# KiCad board bottom-board.kicad_pcb
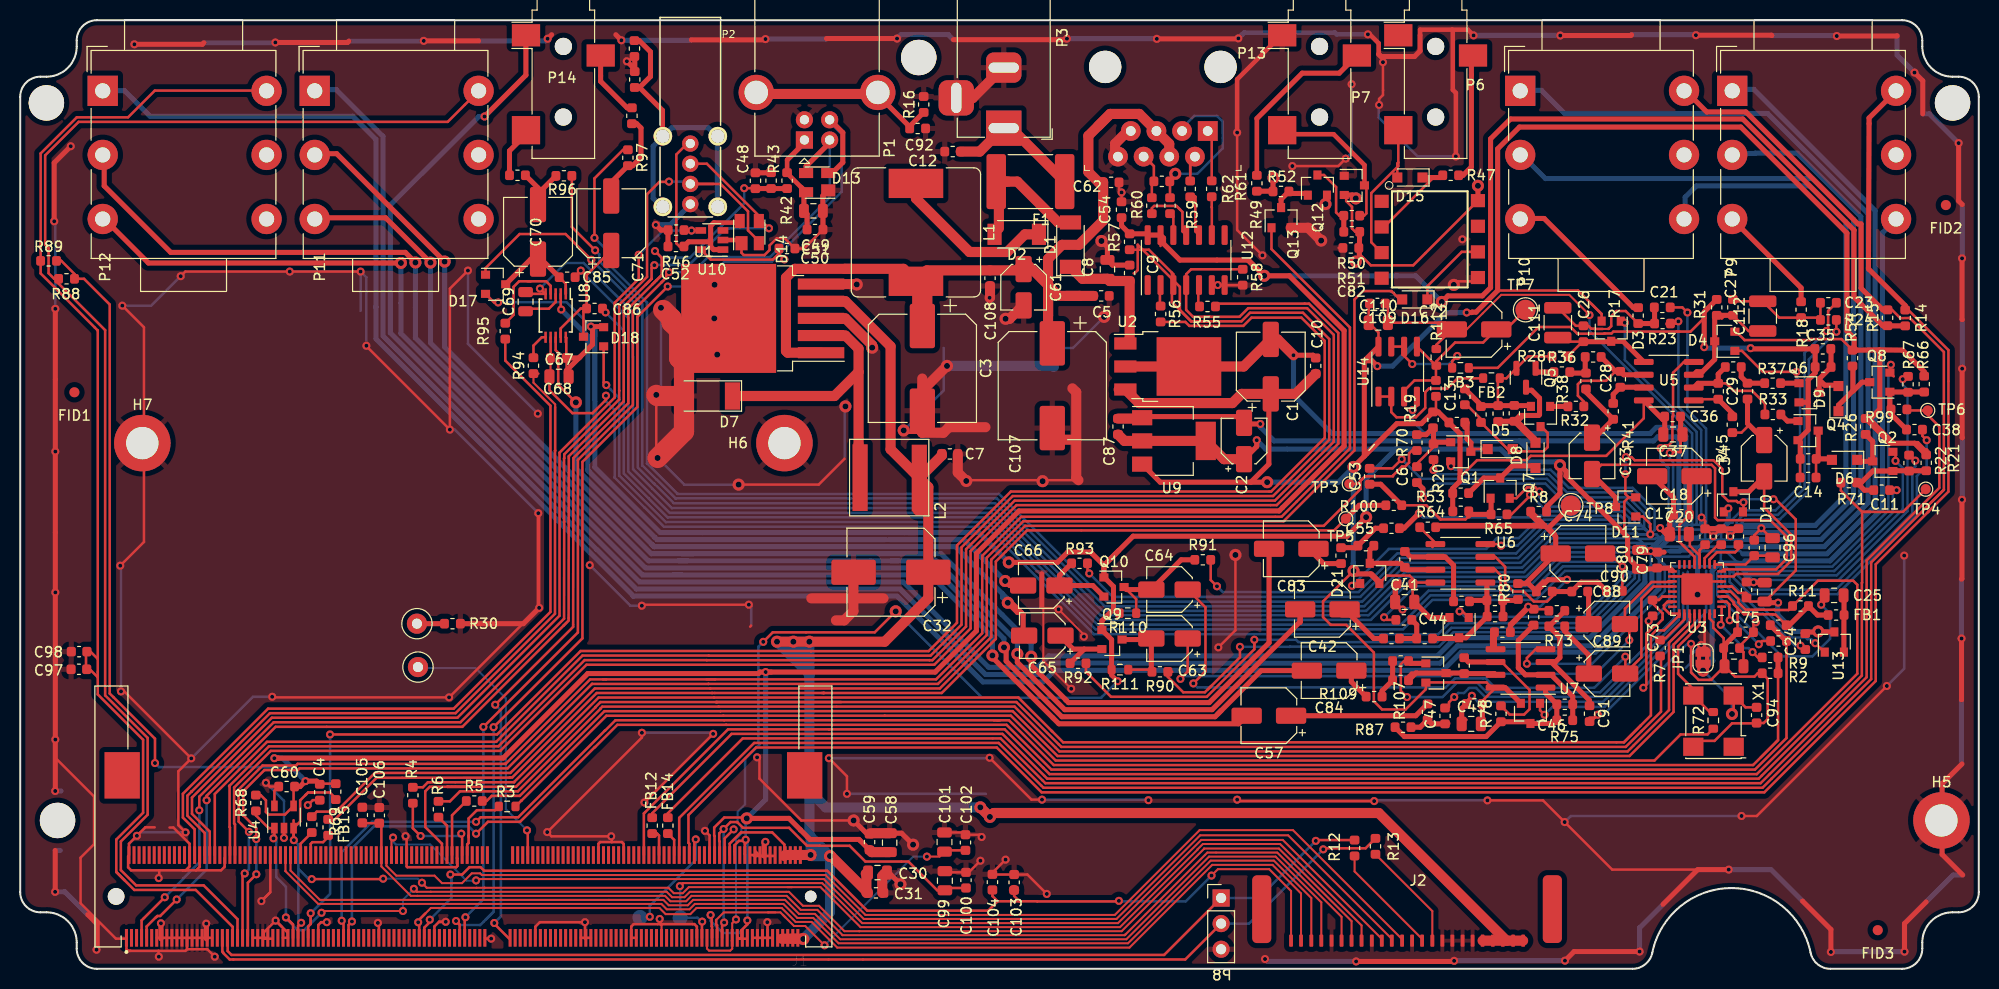
[diagram p0: board, top side]
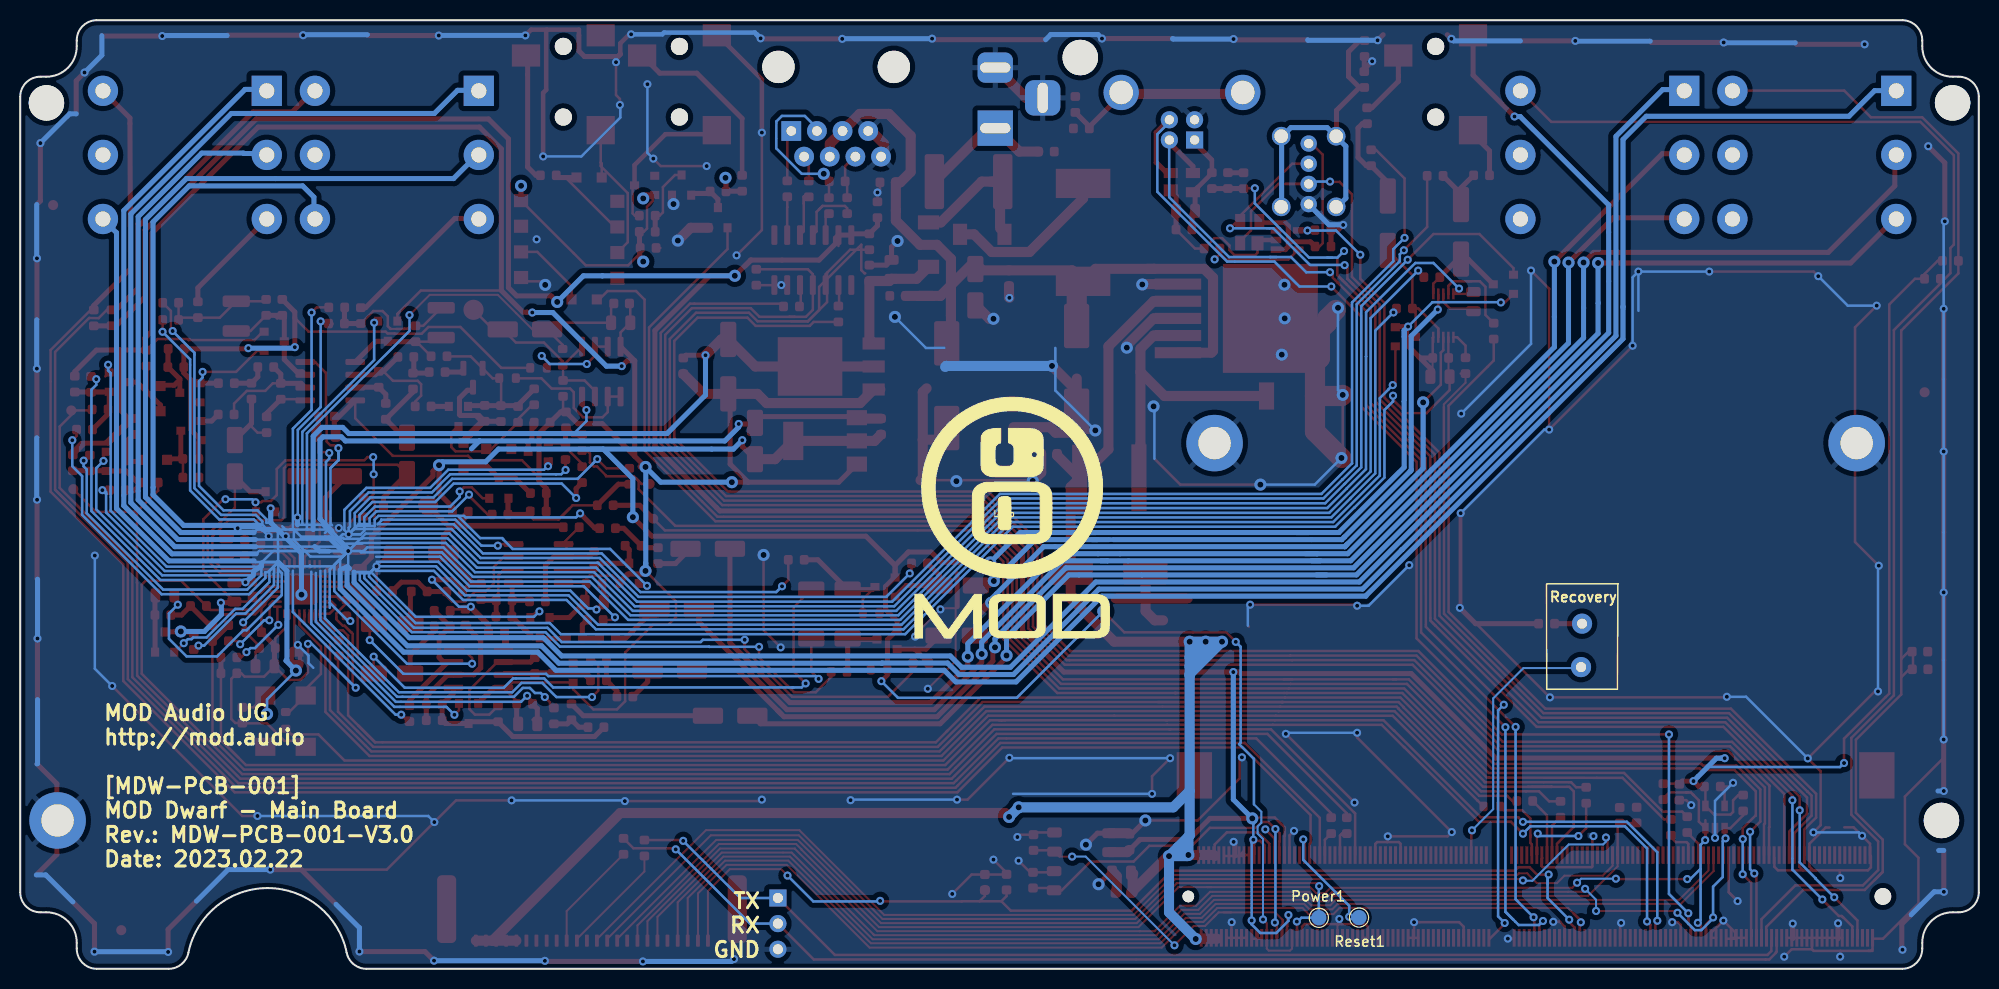
[diagram p1: board, bottom side, seen from below]

Outline 194 x 94 mm; copper layers: Top, PWR-5VD.Cu (plane), GNDD.Cu (plane), Bottom. Coordinates in mm from the lower left corner of the outline.
Outline path: 161.66,1.6 arc(160.97,0.45) 159.7,0 7.6,0 arc(6.19,0.59) 5.6,2 5.6,2.6 arc(4.72,4.72) 2.6,5.6 2,5.6 arc(0.59,6.19) 0,7.6 0,86.4 arc(0.59,87.81) 2,88.4 2.6,88.4 arc(4.72,89.28) 5.6,91.4 5.6,92 arc(6.19,93.41) 7.6,94 186.4,94 arc(187.81,93.41) 188.4,92 188.4,91.4 arc(189.28,89.28) 191.4,88.4 192,88.4 arc(193.41,87.81) 194,86.4 194,7.6 arc(193.41,6.19) 192,5.6 191.4,5.6 arc(189.28,4.72) 188.4,2.6 188.4,2 arc(187.81,0.59) 186.4,0 179.3,0 ; 161.66,1.6 arc(169.5,8) 177.34,1.6 arc(178.03,0.45) 179.3,0
Stack: Top 0.035mm / dielectric 0.48mm FR4 er 4.5 / PWR-5VD.Cu 0.035mm / dielectric 0.48mm FR4 er 4.5 / GNDD.Cu 0.035mm / dielectric 0.48mm FR4 er 4.5 / Bottom 0.035mm

## Placement (name value [footprint] x y rotation side)
C1  100uF  [CP_Elec_6.3x7.7]  123.87 59.67 90 top
C2  10uF  [CP_Elec_4x5.7]  121.22 52.3 90 top
C3  1000uF  [CP_Elec_10x10.5]  89.36 59.5 270 top
C4  1nF  [C_0603_1608Metric]  29.67 17.5 90 top
C5  100nF  [C_0603_1608Metric]  107.08 66.68 0 top
C6  100nF  [C_0603_1608Metric]  138.34 48.97 270 top
C7  100nF  [C_0603_1608Metric]  92.08 51.02 0 top
C8  10uF  [C_0805_2012Metric]  107.69 69.31 90 top
C9  100nF  [C_0603_1608Metric]  109.89 68.94 90 top
C10  100nF  [C_0603_1608Metric]  128.32 59.74 90 top
C11  100nF  [C_0603_1608Metric]  184.38 47.43 0 top
C12  100nF  [C_0603_1608Metric]  92.37 80.98 180 top
C13  100nF  [C_0603_1608Metric]  143.09 56.68 90 top
C14  100nF  [C_0603_1608Metric]  177.09 48.68 180 top
C15  2.2nF  [C_0603_1608Metric]  168.49 42.82 90 top
C16  2.2nF  [C_0603_1608Metric]  170.19 42.83 90 top
C17  100nF  [C_0603_1608Metric]  164.55 44.99 180 top
C18  47uF  [CP_Elec_5x5.4]  163.85 48.82 180 top
C19  100nF  [C_0603_1608Metric]  166.89 42.82 90 top
C20  10uF  [C_0805_2012Metric#2]  164.33 43.07 0 top
C21  100pF  [C_0603_1608Metric]  162.65 65.54 0 top
C22  100nF  [C_0603_1608Metric]  147.99 55.04 90 top
C23  100pF  [C_0603_1608Metric]  179.1 66 0 top
C24  1uF  [C_0603_1608Metric]  176.81 32.43 90 top
C25  10uF  [C_0805_2012Metric]  179.66 37.01 0 top
C26  1uF  [C_0603_1608Metric]  154.84 62.93 90 top
C27  1uF  [C_0603_1608Metric]  169.64 65.54 90 top
C28  100pF  [C_0603_1608Metric]  158.49 58.42 270 top
C29  100pF  [C_0603_1608Metric]  168.19 57.23 270 top
C30  22uF  [C_0805_2012Metric]  84.92 9.53 0 top
C31  100nF  [C_0603_1608Metric]  84.76 7.52 0 top
C32  470uF  [CP_Elec_8x10.5]  86.25 39.3 180 top
C33  10uF  [CP_Elec_4x5.7]  155.69 50.83 270 top
C34  10uF  [CP_Elec_4x5.7]  172.74 50.59 270 top
C35  100nF  [C_0603_1608Metric]  178.55 61.43 180 top
C36  100nF  [C_0603_1608Metric]  163.67 54.73 0 top
C37  10uF  [C_0805_2012Metric#2]  163.7 52.95 180 top
C38  100nF  [C_0603_1608Metric]  187.63 53.43 0 top
C39  100nF  [C_0603_1608Metric]  137.16 38.16 180 top
C40  100pF  [C_0603_1608Metric]  146.06 36.51 0 top
C41  10uF  [C_0805_2012Metric#2]  137.14 36.35 0 top
C42  47uF  [CP_Elec_5x5.4]  128.98 35.62 180 top
C43  100nF  [C_0603_1608Metric]  144.04 26.26 180 top
C44  100pF  [C_0603_1608Metric]  137.05 34.58 0 top
C45  10uF  [C_0805_2012Metric#2]  143.73 24.27 0 top
C46  100pF  [C_0603_1608Metric]  152.99 26.21 0 top
C47  100pF  [C_0603_1608Metric]  141.13 25.06 270 top
C48  100nF  [C_0603_1608Metric]  72.83 78.09 90 top
C49  10uF  [C_0805_2012Metric]  78.56 75.11 0 top
C50  100nF  [C_0603_1608Metric]  78.73 73.26 180 top
C51  100nF  [C_0603_1608Metric]  75.95 71.38 0 top
C52  100nF  [C_0603_1608Metric]  64.95 71.58 0 top
C53  100nF  [C_0603_1608Metric]  133.66 48.81 90 top
C54  100nF  [C_0603_1608Metric]  109.09 75.22 90 top
C55  100pF  [C_0603_1608Metric]  135.83 43.66 180 top
C56  100pF  [C_0603_1608Metric]  136.72 30.51 180 top
C57  47uF  [CP_Elec_5x5.4]  123.68 25.08 180 top
C58  22uF  [C_0805_2012Metric]  86.12 12.5 90 top
C59  100nF  [C_0603_1608Metric]  84.13 12.56 90 top
C60  100nF  [C_0603_1608Metric]  26.39 18.06 0 top
C61  10uF  [CP_Elec_4x5.7]  99.39 67.54 270 top
C62  100nF  [C_0603_1608Metric]  108.05 77.93 0 top
C63  10uF  [CP_Elec_4x5.7]  113.84 32.73 180 top
C64  10uF  [CP_Elec_4x5.7]  113.84 37.58 180 top
C65  10uF  [CP_Elec_4x5.7]  101.24 33.02 180 top
C66  10uF  [CP_Elec_4x5.7]  101.14 37.98 180 top
C67  10uF  [C_0805_2012Metric#2]  53.37 58.68 0 top
C68  100nF  [C_0603_1608Metric]  53.3 60.53 180 top
C69  10uF  [C_0805_2012Metric#2]  50.06 66.11 90 top
C70  100uF  [CP_Elec_6.3x7.7]  51.29 73.03 90 top
C71  100uF  [CP_Elec_6.3x7.7]  58.54 73.88 90 top
C72  47uF  [CP_Elec_5x5.4]  144 63.36 180 top
C73  100nF  [C_0603_1608Metric]  161.69 35.76 270 top
C74  47uF  [CP_Elec_5x5.4]  154.29 41.16 0 top
C75  100nF  [C_0603_1608Metric]  170.89 33.36 0 top
C76  10uF  [C_0805_2012Metric]  169.75 29.98 0 top
C77  100nF  [C_0603_1608Metric]  169.52 31.78 0 top
C78  10uF  [C_0805_2012Metric]  172.79 37.33 90 top
C79  100nF  [C_0603_1608Metric]  162.14 40.51 90 top
C80  10uF  [C_0805_2012Metric]  160.37 40.57 90 top
C81  100nF  [C_0603_1608Metric]  170.99 37.54 90 top
C82  100nF  [C_0603_1608Metric]  131.8 71.43 0 top
C83  47uF  [CP_Elec_5x5.4]  125.9 41.62 180 top
C84  47uF  [CP_Elec_5x5.4]  129.65 29.55 180 top
C85  100nF  [C_0603_1608Metric]  54.18 68.53 180 top
C86  100nF  [C_0603_1608Metric]  56.89 65.43 180 top
C87  100nF  [C_0603_1608Metric]  108.74 53.73 90 top
C88  10uF  [CP_Elec_4x5.7]  157.15 34.16 0 top
C89  10uF  [CP_Elec_4x5.7]  157.17 29.26 0 top
C90  100pF  [C_0603_1608Metric]  157.9 37.44 0 top
C91  100pF  [C_0603_1608Metric]  155.44 25.28 270 top
C92  1nF  [C_0603_1608Metric]  88.89 83.27 180 top
C93  1nF  [C_0603_1608Metric]  60.84 91.19 90 top
C94  100nF  [C_0603_1608Metric]  171.99 25.14 90 top
C95  100nF  [C_0603_1608Metric]  171.76 41.71 90 top
C96  10uF  [C_0805_2012Metric#2]  173.57 41.72 270 top
C97  1uF  [C_0603_1608Metric]  5.81 29.68 180 top
C98  100nF  [C_0603_1608Metric]  5.84 31.43 180 top
C99  22uF  [C_0805_2012Metric#2]  91.59 8.73 90 top
C100  100nF  [C_0603_1608Metric]  93.68 8.79 90 top
C101  22uF  [C_0805_2012Metric#2]  91.55 12.56 90 top
C102  100nF  [C_0603_1608Metric]  93.63 12.52 90 top
C103  1uF  [C_0603_1608Metric]  98.45 8.57 90 top
C104  100nF  [C_0603_1608Metric]  96.3 8.59 90 top
C105  1uF  [C_0603_1608Metric]  33.89 15.24 90 top
C106  100nF  [C_0603_1608Metric]  35.57 15.21 90 top
C107  1000uF  [CP_Elec_10x10.5]  102.23 57.78 270 top
C108  1nF  [C_0603_1608Metric]  96.06 68.44 270 top
C109  100nF  [C_0603_1608Metric]  134.43 65.93 180 top
C110  10uF  [C_0805_2012Metric#2]  134.52 64.02 0 top
C111  1uF  [C_1210_3225Metric]  152.3 64.03 90 top
C112  1uF  [C_1210_3225Metric]  172.6 64.68 90 top
D1  RSX205LAM30TR  [D_SOD-128]  104.03 71.76 90 top
D2  RSX205LAM30TR  [D_SOD-128]  98.71 72.78 180 top
D3  BAT54S  [SOT-23]  157.59 63.18 270 top
D4  BAT54S  [SOT-23]  168.84 62.18 180 top
D5  1N4148  [D_SOD-323_HandSoldering]  146.6 51.5 0 top
D6  1N4148  [D_SOD-323_HandSoldering]  180.7 50.43 180 top
D7  TSSA3U45 R3G  [D_MELF]  68.15 56.76 180 top
D8  1N4148  [D_SOD-323_HandSoldering]  150.09 50.88 90 top
D9  1N4148  [D_SOD-323_HandSoldering]  180.1 56.5 90 top
D10  BAT54S  [SOT-23]  169.69 46.28 90 top
D11  BAT54S  [SOT-23]  159.02 45.77 180 top
D12  BAT54S  [SOT-23]  132.15 77.63 0 top
D13  PRTR5V0U2X  [SOT-143]  78.94 77.91 180 top
D14  PRTR5V0U2X  [SOT-143]  72.22 73 90 top
D15  1N4148  [D_SOD-323_HandSoldering]  137.65 78.41 180 top
D16  1N4148  [D_SOD-323_HandSoldering]  138.13 66.33 180 top
D17  BAT54S  [SOT-23]  47.09 67.83 0 top
D18  BAT54S  [SOT-23]  56.79 62.63 180 top
D19  BAT54S  [SOT-23]  142.53 33.81 270 top
D20  BAT54S  [SOT-23]  149.59 25.31 270 top
D21  BAT54S  [SOT-23]  133.68 39.18 90 top
D22  BAT54S  [SOT-23]  140.23 29.31 0 top
F1  FUSE  [Fuse_2920_7451Metric]  100.06 78.01 180 top
FB1  Ferrite_Bead  [R_0603_1608Metric]  179.87 35.06 0 top
FB2  Ferrite_Bead  [R_0603_1608Metric#2]  145.73 58.53 180 top
FB3  Ferrite_Bead  [R_0603_1608Metric#2]  142.66 59.55 180 top
FB12  Ferrite_Bead  [R_0603_1608Metric]  62.6 14.19 90 top
FB13  Ferrite_Bead  [R_0603_1608Metric]  28.88 14.29 90 top
FB14  Ferrite_Bead  [R_0603_1608Metric]  64.15 14.19 90 top
FB15  Ferrite_Bead  [R_0603_1608Metric]  30.5 14.02 90 top
FID1  FIDUCIAL  [fiducial_in-circuit]  5.37 57.13 0 top
FID2  FIDUCIAL  [fiducial_in-circuit]  190.74 75.68 0 top
FID3  FIDUCIAL  [fiducial_in-circuit]  183.99 3.83 0 top
H1  HOLE  [Hole_3.5mm]  89 90.3 0 top
H2  HOLE  [Hole_3.5mm]  2.6 85.8 0 top
H3  HOLE  [Hole_3.5mm]  191.4 85.8 0 top
H4  HOLE  [Hole_3.5mm]  3.7 14.7 0 top
H5  MountingHole_Pad  [MountingHole_3.2mm_M3_DIN965_Pad]  190.3 14.7 0 top
H6  MountingHole_Pad  [MountingHole_3.2mm_M3_DIN965_Pad]  75.7 52.09 0 top
H7  MountingHole_Pad  [MountingHole_3.2mm_M3_DIN965_Pad]  12.1 52.09 0 top
IMG1  Logo  [mod-logo]  95.76 44.71 180 bottom
J1  AS0A823-H4SB-7H  [TE_2309409-1]  47.4 7.17 180 top
J2  Conn_01x25  [F51L-1A7H1-11024]  138.45 8.25 0 top
JP1  Jumper  [SolderJumper-2_P1.3mm_Bridged2Bar_RoundedPad1.0x1.5mm]  166.69 30.78 90 top
L1  1mH  [L_Bourns_SRR1260]  88.72 72.98 270 top
L2  47UH 2A 135 MOHM  [SRN8040TA]  88.27 48.67 270 top
P1  USB_B  [USB_B_OST_USB-B1HSxx_Horizontal]  77.68 82.13 90 top
P2  USB_A  [USB_A_Vertical]  66.38 81.78 0 top
P3  BARREL_JACK  [BarrelJack_Horizontal]  97.42 83.3 270 top
P6  AudioJack3  [Jack_3.5mm_CUI_SJ-3523-SMT_Horizontal]  140.2 88.9 0 top
P7  AudioJack3  [Jack_3.5mm_CUI_SJ-3523-SMT_Horizontal]  128.7 88.9 0 top
P8  SERIAL_DEBUG  [PinHeader_1x03_P2.54mm_Vertical]  118.95 7.02 0 top
P9  JACK_TRS_6PINS  [Jack_3.5mm_Neutrik_NMJ6HCD2_Horizontal]  169.58 74.3 90 top
P10  JACK_TRS_6PINS  [Jack_3.5mm_Neutrik_NMJ6HCD2_Horizontal]  148.58 74.3 90 top
P11  JACK_TRS_6PINS  [Jack_3.5mm_Neutrik_NMJ6HCD2_Horizontal]  29.17 74.3 90 top
P12  JACK_TRS_6PINS  [Jack_3.5mm_Neutrik_NMJ6HCD2_Horizontal]  8.17 74.3 90 top
P13  RJ45  [Ethernet_Jack_54602-908LF]  117.62 83.02 180 top
P14  AudioJack3  [Jack_3.5mm_CUI_SJ-3523-SMT_Horizontal]  53.8 88.9 0 top
Power1  TestPoint  [TestPoint_Pad_D1.5mm]  65.37 5.06 0 bottom
Q1  2N7002  [SOT-23]  142.69 51.23 0 top
Q2  2N7002  [SOT-23]  184.49 50.28 180 top
Q3  MMBFJ211  [SOT-23]  150.59 54.73 270 top
Q4  MMBFJ211  [SOT-23]  177.09 53.33 0 top
Q5  MMBFJ211  [SOT-23#2]  149.15 58.57 270 top
Q6  MMBFJ211  [SOT-23]  177.19 57.08 0 top
Q7  2N7002  [SOT-23]  146.59 47.63 90 top
Q8  2N7002  [SOT-23]  184.19 58.13 180 top
Q9  MMBFJ211  [SOT-23]  108.14 32.63 0 top
Q10  MMBFJ211  [SOT-23]  108.34 37.83 0 top
Q12  2N7002  [SOT-23]  128.49 77.66 90 top
Q13  2N7002  [SOT-23]  124.89 74.43 90 top
R1  2K7  [R_0603_1608Metric]  174.13 34.05 180 top
R2  2K7  [R_0603_1608Metric]  173.33 29.29 180 top
R3  22R  [R_0603_1608Metric#2]  48.23 16.09 180 top
R4  22R  [R_0603_1608Metric]  38.89 17.2 90 top
R5  22R  [R_0603_1608Metric]  44.98 16.63 180 top
R6  22R  [R_0603_1608Metric]  41.43 15.81 270 top
R7  22R  [R_0603_1608Metric]  162.43 31.79 270 top
R8  100R  [R_0603_1608Metric]  150.4 45.31 0 top
R9  22R  [R_0603_1608Metric]  173.33 30.86 0 top
R10  22R  [R_0603_1608Metric]  174.16 32.48 0 top
R11  2K7  [R_0603_1608Metric]  176.34 35.95 0 top
R12  100R  [R_0603_1608Metric]  132.17 11.97 90 top
R13  100R  [R_0603_1608Metric]  134.24 12.14 90 top
R14  100K  [R_0603_1608Metric]  186.71 64.5 90 top
R15  100K  [R_0603_1608Metric]  184.96 64.51 90 top
R16  1M  [R_0603_1608Metric]  89.49 85.65 90 top
R17  47R  [R_0603_1608Metric]  160.26 64.73 90 top
R18  47R  [R_0603_1608Metric]  176.4 65.31 90 top
R19  10K  [R_0603_1608Metric]  139.94 54.39 90 top
R20  2K7  [R_0603_1608Metric]  139.99 51.24 90 top
R21  10K  [R_0603_1608Metric]  188.79 50.14 90 top
R22  2K7  [R_0603_1608Metric]  187.09 50.12 270 top
R23  1M  [R_0603_1608Metric]  162.67 63.94 180 top
R24  1M  [R_0603_1608Metric]  179.1 64.3 180 top
R25  100K  [R_0603_1608Metric]  142.3 54.13 180 top
R26  100K  [R_0603_1608Metric]  182.79 53.74 90 top
R27  1M  [R_0603_1608Metric]  144.69 54.93 270 top
R28  1M  [R_0603_1608Metric]  152.51 60.7 0 top
R29  1M  [R_0603_1608Metric]  177.1 50.53 0 top
R30  10R  [R_0603_1608Metric]  42.81 34.2 180 top
R31  1M  [R_0603_1608Metric]  168.04 65.54 270 top
R32  5K6  [R_0603_1608Metric]  154.09 55.73 0 top
R33  5K6  [R_0603_1608Metric]  173.6 54.93 180 top
R34  22K  [R_0603_1608Metric]  155.8 60.63 0 top
R35  22K  [R_0603_1608Metric]  169.68 59.63 180 top
R36  4K7  [R_0603_1608Metric]  152.7 59.13 0 top
R37  4K7  [R_0603_1608Metric]  173.58 58.03 180 top
R38  4K7  [R_0603_1608Metric]  155.09 58.24 90 top
R39  4K7  [R_0603_1608Metric]  171.09 57.24 90 top
R40  1M  [R_0603_1608Metric]  146.39 55.02 270 top
R41  100R  [R_0603_1608Metric]  157.79 55.24 90 top
R42  10K  [R_0603_1608Metric]  75.96 78.1 270 top
R43  15K  [R_0603_1608Metric]  74.38 78.11 90 top
R44  1M  [R_0603_1608Metric]  178.58 59.63 0 top
R45  100R  [R_0603_1608Metric]  169.59 53.92 90 top
R46  10K  [R_0603_1608Metric]  64.97 73.21 180 top
R47  220R  [R_0603_1608Metric]  141.69 78.63 180 top
R48  1M  [R_0603_1608Metric]  60.87 88.12 90 top
R49  220R  [R_0603_1608Metric]  122.49 77.84 270 top
R50  220R  [R_0603_1608Metric]  131.89 74.63 180 top
R51  10K  [R_0603_1608Metric]  131.89 73.03 180 top
R52  10K  [R_0603_1608Metric]  124.88 77.03 0 top
R53  100K  [R_0603_1608Metric]  142.68 47.13 180 top
R54  100K  [R_0603_1608Metric]  181.49 60.52 90 top
R55  100R  [R_0603_1608Metric]  117.6 65.63 0 top
R56  100R  [R_0603_1608Metric]  112.96 64.89 270 top
R57  10K  [R_0603_1608Metric]  109.89 72.04 270 top
R58  10K  [R_0603_1608Metric]  121.09 68.53 270 top
R59  56R  [R_0603_1608Metric]  113.89 75.62 270 top
R60  56R  [R_0603_1608Metric]  112.09 75.62 270 top
R61  56R  [R_0603_1608Metric]  118.02 77.29 270 top
R62  56R  [R_0603_1608Metric]  115.89 77.28 270 top
R63  100R  [R_0603_1608Metric]  113.08 78.03 180 top
R64  10K  [R_0603_1608Metric]  142.69 45.33 180 top
R65  2K7  [R_0603_1608Metric]  146.48 45.03 180 top
R66  10K  [R_0603_1608Metric]  188.59 57.94 90 top
R67  2K7  [R_0603_1608Metric]  186.99 57.92 270 top
R68  2K7  [R_0603_1608Metric]  23.34 16.43 270 top
R69  2K7  [R_0603_1608Metric]  31.25 17.56 270 top
R70  1K  [R_0603_1608Metric]  138.34 52.14 90 top
R71  1K  [R_0603_1608Metric]  181.13 48.18 0 top
R72  0R  [R_0603_1608Metric#2]  167.7 24.62 90 top
R73  10K  [R_0603_1608Metric]  152.2 33.94 180 top
R74  10K  [R_0603_1608Metric]  154.48 37.39 180 top
R75  10K  [R_0603_1608Metric]  152.99 24.63 180 top
R76  10K  [R_0603_1608Metric]  150.96 37.39 180 top
R77  10K  [R_0603_1608Metric]  152.2 35.48 180 top
R78  10K  [R_0603_1608Metric]  146.67 25.27 90 top
R79  10K  [R_0603_1608Metric]  146.81 33.36 180 top
R80  10K  [R_0603_1608Metric]  148.35 37.39 270 top
R81  10K  [R_0603_1608Metric]  142.76 36.41 180 top
R82  10K  [R_0603_1608Metric]  139.41 43.76 180 top
R83  10K  [R_0603_1608Metric]  149.91 34.85 270 top
R84  10K  [R_0603_1608Metric]  146.09 34.91 180 top
R85  10K  [R_0603_1608Metric]  137.15 40.57 270 top
R86  150R  [R_0603_1608Metric]  139.11 32.73 180 top
R87  150R  [R_0603_1608Metric]  136.97 23.94 0 top
R88  100K  [R_0603_1608Metric]  4.59 68.37 0 top
R89  100K  [R_0603_1608Metric]  2.81 70.15 0 top
R90  1M  [R_0603_1608Metric]  112.89 29.43 180 top
R91  1M  [R_0603_1608Metric]  117.13 40.53 180 top
R92  56K  [R_0603_1608Metric]  104.78 30.28 180 top
R93  56K  [R_0603_1608Metric]  104.93 40.18 180 top
R94  22R  [R_0603_1608Metric]  50.84 59.77 90 top
R95  22R  [R_0603_1608Metric]  48.05 63.19 90 top
R96  75K  [R_0603_1608Metric]  53.85 78.58 180 top
R97  75K  [R_0603_1608Metric]  60.19 80.37 270 top
R98  10K  [R_0603_1608Metric]  143.03 30.04 270 top
R99  1K  [R_0603_1608Metric]  186.09 55.43 180 top
R100  1K  [R_0603_1608Metric]  136.05 45.93 0 top
R101  1K  [R_0603_1608Metric]  140.23 57.51 270 top
R102  150R  [R_0603_1608Metric]  133.29 41.93 180 top
R103  6R8  [R_0603_1608Metric]  49.25 78.63 0 top
R104  6R8  [R_0603_1608Metric]  60.59 84.53 90 top
R105  150R  [R_0603_1608Metric]  135.83 32.73 180 top
R106  150R  [R_0603_1608Metric]  136.72 28.58 180 top
R107  150R  [R_0603_1608Metric]  139.4 25.46 90 top
R108  150R  [R_0603_1608Metric]  130.83 40.94 270 top
R109  150R  [R_0603_1608Metric]  134.1 26.97 180 top
R110  1M  [R_0603_1608Metric#2]  109.71 35.24 180 top
R111  1M  [R_0603_1608Metric#2]  108.93 29.64 180 top
R112  1K5  [R_0603_1608Metric#2]  140.27 60.59 270 top
Reset1  TestPoint  [TestPoint_Pad_D1.5mm]  61.39 5.08 0 bottom
TP1  TestPoint  [TestPoint_Loop_D1.80mm_Drill1.0mm_Beaded]  39.4 29.9 0 top
TP2  TestPoint  [TestPoint_Loop_D1.80mm_Drill1.0mm_Beaded]  39.3 34.2 0 top
TP3  TestPoint  [TestPoint_Pad_D1.0mm]  131.65 48.05 0 top
TP4  TestPoint  [TestPoint_Pad_D1.0mm]  188.74 47.53 0 top
TP5  TestPoint  [TestPoint_Pad_D1.0mm]  131.3 44.6 0 top
TP6  TestPoint  [TestPoint_Pad_D1.0mm]  188.94 55.33 0 top
TP7  TestPoint  [TestPoint_Pad_D2.0mm]  149.1 65.3 0 top
TP8  TestPoint  [TestPoint_Pad_D2.0mm]  153.59 45.91 0 top
U1  TS2596  [TO-263-5_TabPin3]  73.55 64.45 180 top
U2  TL750M10CKVURG3  [TO-252-3_TabPin2]  113.66 59.69 0 top
U3  CS4265  [QFN-32-1EP_5x5mm_P0.5mm_EP3.1x3.1mm]  166.09 37.63 180 top
U4  AT24CS08-STUM  [SOT-23-5]  26.13 15.04 90 top
U5  LM4562  [SOIC-8_3.9x4.9mm_P1.27mm]  163.29 58.23 180 top
U6  OPA1678IDR  [SOIC-8_3.9x4.9mm_P1.27mm]  142.65 40.18 180 top
U7  OPA1678IDR  [SOIC-8_3.9x4.9mm_P1.27mm]  148.61 29.77 180 top
U8  LM4811  [TSSOP-10_3x3mm_P0.5mm]  53.04 64.73 270 top
U9  LD1117S50TR  [SOT-223-3_TabPin2]  114.28 52.31 0 top
U10  TPS2001DDBVR  [SOT-23-5]  68.51 72.22 180 top
U11  -  [6N137S]  139.81 72.09 270 top
U12  ISL83491  [SOIC-14_3.9x8.7mm_P1.27mm]  115.49 70.23 90 top
U13  AP2120N-3.3  [SOT-23]  179.69 32.38 90 top
U14  LM833DR2G  [SOIC-8_3.9x4.9mm_P1.27mm]  136.44 59.18 90 top
X1  24.576MHz  [Oscillator_SMD_Abracon_ASV-4Pin_7.0x5.1mm]  167.72 24.54 90 top

## Library data of the parts
C1 C70 C71 = -: MPN: 107SML016M
C2 C33 C34 C61 C63-C66 C88 C89 = -: MPN: EEE-HB1C100R
C3 C107 = -: MPN: UCM1C102MNL1GS
C4 C92 C93 C108 = -: MPN: C0603X7R500-102KNP
C5-C7 C9-C14 C17 C19 C22 C31 C35 C36 C38 C39 C43 C48 C50-C54 C59 C60 C62 C68 C73 C75 C77 C79 C81 C82 C85-C87 C95 C98 C100 C102 C104 C106 C109 = -: MPN: GCM188R71C104KA37D
C8 C20 C25 C37 C41 C45 C49 C67 C69 C76 C78 C80 C96 C110 = -: MPN: GRM219R61E106KA12D
C15 C16 = -: MPN: GRM1885C1H222JA01D
C18 C42 C57 C72 C74 C83 C84 = -: MPN: EDK476M016A9DAA
C21 C23 C28 C29 C40 C44 C46 C47 C55 C56 C90 C91 = -: MPN: C0603C101J3GACTU
C24 C26 C27 C97 C103 C105 C111 C112 = -: MPN: TMK107B7105KA-T
C30 C58 C99 C101 = -: MPN: CL21A226MPQNNNE
C32 = -: MPN: UCW1C471MNL1GS
C94 P8 R110 R111 X1 = -: MPN: DO NOT PLACE
D3 D4 D10-D12 D17-D22 = -: MPN: BAT54SFILM
D5 D6 D8 D9 D15 D16 = -: MPN: 1N4148WS
D13 D14 = -: MPN: PRTR5V0U2X,215
F1 = -: MPN: 0ZCF0200FF2C
FB1-FB3 FB12-FB15 = -: MPN: BLM18HD102SH1D
H6 H7 = -: MPN: 9774030243R
J1 = -: MPN: TE_2309409-1
J2 = -: MPN: F51L-1A7H1-11024
L1 = -: MPN: SRR1260-102K
L2 = -: MPN: SRN8040TA-470M
P1 = -: MPN: 61729-1011BLF
P2 = -: MPN: KUSBX-SLAS1N-B
P3 = -: MPN: PJ-002AH
P6 P7 P14 = -: MPN: SJ-3523-SMT-TR
P9-P12 = -: MPN: NYS215
P13 = -: MPN: 54602-908LF
Q1 Q2 Q7 Q8 Q12 Q13 = -: MPN: 2N7002P,215
Q3-Q6 Q9 Q10 = -: MPN: MMBFJ211CT-ND
R1 R2 R11 R20 R22 R65 R67-R69 = -: MPN: CRGCQ0603F2K7
R3-R7 R9 R10 R94 R95 = -: MPN: RMCF0603JT22R0
R8 R12 R13 R41 R45 R55 R56 R63 = -: MPN: RT0603DRD07100RL
R14 R15 R25 R26 R53 R54 R88 R89 = -: MPN: RMCF0603JT100K
R16 R23 R24 R27-R29 R31 R40 R44 R48 R90 R91 = -: MPN: RT0603BRD071ML
R17 R18 = -: MPN: RT0603DRE0747RL
R19 R21 R42 R46 R51 R52 R57 R58 R64 R66 R73-R85 R98 = -: MPN: RR0816P-103-D
R30 = -: MPN: CRGCQ0603J10R
R32 R33 = -: MPN: ERA-3AED562V
R34 R35 = -: MPN: RT0603DRD0722KL
R36-R39 = -: MPN: RT0603DRE074K7L
R43 = -: MPN: RMCF0603JT15K0
R47 R49 R50 = -: MPN: RC0603FR-07220RL
R59-R62 = -: MPN: CRGCQ0603F56R
R70 R71 R99-R101 = -: MPN: ERJ-PB3D1001V
R72 = -: MPN: RMCF0603ZT0R00
R86 R87 R102 R105-R109 = -: MPN: RC0603FR-07150RL
R92 R93 = -: MPN: RMCF0603FT56K0
R96 R97 = -: MPN: RR0816P-753-D
R103 R104 = -: MPN: RMCF0603FT6R80
R112 = -: MPN: ERJ-PB3D1501V
U1 = -: MPN: TS2596CM550 RNG
U3 = -: MPN: CS4265-CNZ
U5 = -: MPN: LM4562MAX/NOPB
U8 = -: MPN: LM4811MM/NOPB
U12 = -: MPN: ISL83491IBZ
U13 = -: MPN: AP2120N-3.3TRG1
U14 = -: MPN2: OPA1678IDR

## Footprints (pads in the part's own frame, mm; a bottom-side part is the same pattern mirrored in y, then rotated)
6N137S
  rect 1.3x1.4 smd: 1(-3.96,-4.96) 2(-1.42,-4.96) 3(1.12,-4.96) 4(3.66,-4.96) 5(3.59,4.58) 6(1.05,4.58) 7(-1.49,4.58) 8(-4.03,4.58)
BarrelJack_Horizontal
  rect 3.5x3.5 hole 1x3: 1(0,0)
  rrect 3x3.5 hole 1x3: 2(-6,0)
  rrect 3.5x3.5 hole 3x1: 3(-3,-4.7)
C_0603_1608Metric
  rrect 0.875x0.95 smd: 1(-0.787,0) 2(0.787,0)
C_0805_2012Metric
  rrect 0.975x1.4 smd: 1(-0.938,0) 2(0.938,0)
C_0805_2012Metric#2
  rrect 1x1.45 smd: 1(-0.95,0) 2(0.95,0)
C_1210_3225Metric
  rrect 1.15x2.7 smd: 1(-1.475,0) 2(1.475,0)
CP_Elec_4x5.7
  rrect 2.6x1.6 smd: 1(-1.8,0) 2(1.8,0)
CP_Elec_5x5.4
  rrect 3x1.6 smd: 1(-2.2,0) 2(2.2,0)
CP_Elec_6.3x7.7
  rrect 3.5x1.6 smd: 1(-2.7,0) 2(2.7,0)
CP_Elec_8x10.5
  rrect 4.4x2.5 smd: 1(-3.7,0) 2(3.7,0)
CP_Elec_10x10.5
  rrect 4.4x2.5 smd: 1(-4.2,0) 2(4.2,0)
D_MELF
  rect 1.5x2.7 smd: 1(-2.4,0) 2(2.4,0)
D_SOD-128
  rect 1.4x2.1 smd: 1(-2.2,0) 2(2.2,0)
D_SOD-323_HandSoldering
  rect 1x1 smd: 1(-1.25,0) 2(1.25,0)
Ethernet_Jack_54602-908LF
  round 3.2 hole 3.2 unplated: (-1.27,-6.35) (10.16,-6.35)
  rect 1.96x1.96 hole 0.96: 1(0,0)
  round 1.96 hole 0.96: 2(1.27,2.54) 3(2.54,0) 4(3.81,2.54) 5(5.08,0) 6(6.35,2.54) 7(7.62,0) 8(8.89,2.54)
F51L-1A7H1-11024
  rrect 0.381x1.206 smd: 1(-12.573,-5.461) 2(-11.582,-5.461) 3(-10.566,-5.461) 4(-9.576,-5.461) 5(-8.56,-5.461) 6(-7.569,-5.461) 7(-6.579,-5.461) 8(-5.588,-5.461) 9(-4.572,-5.461) 10(-3.581,-5.461) 11(-2.591,-5.461) 12(-1.575,-5.461) 13(-0.584,-5.461) 14(0.406,-5.461) 15(1.422,-5.461) 16(2.413,-5.461) 17(3.404,-5.461) 18(4.42,-5.461) 19(5.41,-5.461) 20(6.401,-5.461) 21(7.417,-5.461) 22(8.407,-5.461) 23(9.423,-5.461) 24(10.414,-5.461)
  rrect 1.894x6.718 smd: 25(-15.476,-2.343) 25(13.31,-2.337)
fiducial_in-circuit
  round 1 smd: (0,0)
  rect 3x3 smd: (0,0)
Fuse_2920_7451Metric
  rrect 1.925x5.45 smd: 1(-3.388,0) 2(3.388,0)
Hole_3.5mm
  round 3.5 hole 3.5: (0,0)
Jack_3.5mm_CUI_SJ-3523-SMT_Horizontal
  round 1.7 hole 1.7 unplated: (0,2.5) (0,-4.5)
  rect 2.8x2.2 smd: R(3.7,1.6) S(-3.7,3.6)
  rect 2.8x2.8 smd: T(-3.7,-5.8)
Jack_3.5mm_Neutrik_NMJ6HCD2_Horizontal
  round 3 hole 1.5: R(6.35,0) RN(6.35,-16.23) SN(12.7,-16.23) T(0,0) TN(0,-16.23)
  rect 3x3 hole 1.5: S(12.7,0)
L_Bourns_SRR1260
  rect 2.9x5.4 smd: 1(-4.85,0) 2(4.85,0)
MountingHole_3.2mm_M3_DIN965_Pad
  round 5.6 hole 3.2: 1(0,0)
Oscillator_SMD_Abracon_ASV-4Pin_7.0x5.1mm
  rect 1.8x2 smd: 1(-2.54,-2) 2(2.54,-2) 3(2.54,2) 4(-2.54,2)
PinHeader_1x03_P2.54mm_Vertical
  rect 1.7x1.7 hole 1: 1(0,0)
  oval 1.7x1.7 hole 1: 2(0,-2.54) 3(0,-5.08)
QFN-32-1EP_5x5mm_P0.5mm_EP3.1x3.1mm
  rrect 0.83x0.83 smd: (-1.03,1.03) (-1.03,0) (-1.03,-1.03) (0,1.03) (0,0) (0,-1.03) (1.03,1.03) (1.03,0) (1.03,-1.03)
  rrect 0.875x0.25 smd: 1(-2.438,1.75) 2(-2.438,1.25) 3(-2.438,0.75) 4(-2.438,0.25) 5(-2.438,-0.25) 6(-2.438,-0.75) 7(-2.438,-1.25) 8(-2.438,-1.75) 17(2.438,-1.75) 18(2.438,-1.25) 19(2.438,-0.75) 20(2.438,-0.25) 21(2.438,0.25) 22(2.438,0.75) 23(2.438,1.25) 24(2.438,1.75)
  rrect 0.25x0.875 smd: 9(-1.75,-2.438) 10(-1.25,-2.438) 11(-0.75,-2.438) 12(-0.25,-2.438) 13(0.25,-2.438) 14(0.75,-2.438) 15(1.25,-2.438) 16(1.75,-2.438) 25(1.75,2.438) 26(1.25,2.438) 27(0.75,2.438) 28(0.25,2.438) 29(-0.25,2.438) 30(-0.75,2.438) 31(-1.25,2.438) 32(-1.75,2.438)
  rrect 3.1x3.1 smd: 33(0,0)
R_0603_1608Metric
  rrect 0.875x0.95 smd: 1(-0.787,0) 2(0.787,0)
R_0603_1608Metric#2
  rrect 0.8x0.95 smd: 1(-0.825,0) 2(0.825,0)
SOIC-8_3.9x4.9mm_P1.27mm
  rrect 1.95x0.6 smd: 1(-2.475,1.905) 2(-2.475,0.635) 3(-2.475,-0.635) 4(-2.475,-1.905) 5(2.475,-1.905) 6(2.475,-0.635) 7(2.475,0.635) 8(2.475,1.905)
SOIC-14_3.9x8.7mm_P1.27mm
  rrect 1.95x0.6 smd: 1(-2.475,3.81) 2(-2.475,2.54) 3(-2.475,1.27) 4(-2.475,0) 5(-2.475,-1.27) 6(-2.475,-2.54) 7(-2.475,-3.81) 8(2.475,-3.81) 9(2.475,-2.54) 10(2.475,-1.27) 11(2.475,0) 12(2.475,1.27) 13(2.475,2.54) 14(2.475,3.81)
SolderJumper-2_P1.3mm_Bridged2Bar_RoundedPad1.0x1.5mm
  custom 1x1.5 smd: 1(-0.65,0) 2(0.65,0)
SOT-23
  rect 0.9x0.8 smd: 1(-1,0.95) 2(-1,-0.95) 3(1,0)
SOT-23#2
  rrect 1.475x0.6 smd: 1(-0.938,0.95) 2(-0.938,-0.95) 3(0.938,0)
SOT-23-5
  rect 1.06x0.65 smd: 1(-1.1,0.95) 2(-1.1,0) 3(-1.1,-0.95) 4(1.1,-0.95) 5(1.1,0.95)
SOT-143
  rect 1.4x1.2 smd: 1(-1.1,0.77)
  rect 1.4x1 smd: 2(-1.1,-0.95) 3(1.1,-0.95) 4(1.1,0.95)
SOT-223-3_TabPin2
  rect 2x1.5 smd: 1(-3.15,2.3) 2(-3.15,0) 3(-3.15,-2.3)
  rect 2x3.8 smd: 2(3.15,0)
SRN8040TA
  rect 6.6x1.5 smd: 1(0,-5.08) 2(0.038,0.787)
TE_2309409-1
  round 1.15 hole 1.15 unplated: (-30.9,0)
  round 1.65 hole 1.65 unplated: (37.9,0)
  rect 0.3x1.75 smd: 1(36.875,4.1) 2(36.625,-4.1) 3(36.375,4.1) 4(36.125,-4.1) 5(35.875,4.1) 6(35.625,-4.1) 7(35.375,4.1) 8(35.125,-4.1) 9(34.875,4.1) 10(34.625,-4.1) 11(34.375,4.1) 12(34.125,-4.1) 13(33.875,4.1) 14(33.625,-4.1) 15(33.375,4.1) 16(33.125,-4.1) 17(32.875,4.1) 18(32.625,-4.1) 19(32.375,4.1) 20(32.125,-4.1) 21(31.875,4.1) 22(31.625,-4.1) 23(31.375,4.1) 24(31.125,-4.1) 25(30.875,4.1) 26(30.625,-4.1) 27(30.375,4.1) 28(30.125,-4.1) 29(29.875,4.1) 30(29.625,-4.1) 31(29.375,4.1) 32(29.125,-4.1) 33(28.875,4.1) 34(28.625,-4.1) 35(28.375,4.1) 36(28.125,-4.1) 37(27.875,4.1) 38(27.625,-4.1) 39(27.375,4.1) 40(27.125,-4.1) 41(26.875,4.1) 42(26.625,-4.1) 43(26.375,4.1) 44(26.125,-4.1) 45(25.875,4.1) 46(25.625,-4.1) 47(25.375,4.1) 48(25.125,-4.1) 49(24.875,4.1) 50(24.625,-4.1) 51(24.375,4.1) 52(24.125,-4.1) 53(23.875,4.1) 54(23.625,-4.1) 55(23.375,4.1) 56(23.125,-4.1) 57(22.875,4.1) 58(22.625,-4.1) 59(22.375,4.1) 60(22.125,-4.1) 61(21.875,4.1) 62(21.625,-4.1) 63(21.375,4.1) 64(21.125,-4.1) 65(20.875,4.1) 66(20.625,-4.1) 67(20.375,4.1) 68(20.125,-4.1) 69(19.875,4.1) 70(19.625,-4.1) 71(19.375,4.1) 72(19.125,-4.1) 73(18.875,4.1) 74(18.625,-4.1) 75(18.375,4.1) 76(18.125,-4.1) 77(17.875,4.1) 78(17.625,-4.1) 79(17.375,4.1) 80(17.125,-4.1) 81(16.875,4.1) 82(16.625,-4.1) 83(16.375,4.1) 84(16.125,-4.1) 85(15.875,4.1) 86(15.625,-4.1) 87(15.375,4.1) 88(15.125,-4.1) 89(14.875,4.1) 90(14.625,-4.1) 91(14.375,4.1) 92(14.125,-4.1) 93(13.875,4.1) 94(13.625,-4.1) 95(13.375,4.1) 96(13.125,-4.1) 97(12.875,4.1) 98(12.625,-4.1) 99(12.375,4.1) 100(12.125,-4.1) 101(11.875,4.1) 102(11.625,-4.1) 103(11.375,4.1) 104(11.125,-4.1) 105(10.875,4.1) 106(10.625,-4.1) 107(10.375,4.1) 108(10.125,-4.1) 109(9.875,4.1) 110(9.625,-4.1) 111(9.375,4.1) 112(9.125,-4.1) 113(8.875,4.1) 114(8.625,-4.1) 115(8.375,4.1) 116(8.125,-4.1) 117(7.875,4.1) 118(7.625,-4.1) 119(7.375,4.1) 120(7.125,-4.1) 121(6.875,4.1) 122(6.625,-4.1) 123(6.375,4.1) 124(6.125,-4.1) 125(5.875,4.1) 126(5.625,-4.1) 127(5.375,4.1) 128(5.125,-4.1) 129(4.875,4.1) 130(4.625,-4.1) 131(4.375,4.1) 132(4.125,-4.1) 133(3.875,4.1) 134(3.625,-4.1) 135(3.375,4.1) 136(3.125,-4.1) 137(2.875,4.1) 138(2.625,-4.1) 139(2.375,4.1) 140(2.125,-4.1) 141(1.875,4.1) 142(1.625,-4.1) 143(1.375,4.1) 144(1.125,-4.1) 145(-1.125,4.1) 146(-1.375,-4.1) 147(-1.625,4.1) 148(-1.875,-4.1) 149(-2.125,4.1) 150(-2.375,-4.1) 151(-2.625,4.1) 152(-2.875,-4.1) 153(-3.125,4.1) 154(-3.375,-4.1) 155(-3.625,4.1) 156(-3.875,-4.1) 157(-4.125,4.1) 158(-4.375,-4.1) 159(-4.625,4.1) 160(-4.875,-4.1) 161(-5.125,4.1) 162(-5.375,-4.1) 163(-5.625,4.1) 164(-5.875,-4.1) 165(-6.125,4.1) 166(-6.375,-4.1) 167(-6.625,4.1) 168(-6.875,-4.1) 169(-7.125,4.1) 170(-7.375,-4.1) 171(-7.625,4.1) 172(-7.875,-4.1) 173(-8.125,4.1) 174(-8.375,-4.1) 175(-8.625,4.1) 176(-8.875,-4.1) 177(-9.125,4.1) 178(-9.375,-4.1) 179(-9.625,4.1) 180(-9.875,-4.1) 181(-10.125,4.1) 182(-10.375,-4.1) 183(-10.625,4.1) 184(-10.875,-4.1) 185(-11.125,4.1) 186(-11.375,-4.1) 187(-11.625,4.1) 188(-11.875,-4.1) 189(-12.125,4.1) 190(-12.375,-4.1) 191(-12.625,4.1) 192(-12.875,-4.1) 193(-13.125,4.1) 194(-13.375,-4.1) 195(-13.625,4.1) 196(-13.875,-4.1) 197(-14.125,4.1) 198(-14.375,-4.1) 199(-14.625,4.1) 200(-14.875,-4.1) 201(-15.125,4.1) 202(-15.375,-4.1) 203(-15.625,4.1) 204(-15.875,-4.1) 205(-16.125,4.1) 206(-16.375,-4.1) 207(-16.625,4.1) 208(-16.875,-4.1) 209(-17.125,4.1) 210(-17.375,-4.1) 211(-17.625,4.1) 212(-17.875,-4.1) 213(-18.125,4.1) 214(-18.375,-4.1) 215(-18.625,4.1) 216(-18.875,-4.1) 217(-19.125,4.1) 218(-19.375,-4.1) 219(-19.625,4.1) 220(-19.875,-4.1) 221(-20.125,4.1) 222(-20.375,-4.1) 223(-20.625,4.1) 224(-20.875,-4.1) 225(-21.125,4.1) 226(-21.375,-4.1) 227(-21.625,4.1) 228(-21.875,-4.1) 229(-22.125,4.1) 230(-22.375,-4.1) 231(-22.625,4.1) 232(-22.875,-4.1) 233(-23.125,4.1) 234(-23.375,-4.1) 235(-23.625,4.1) 236(-23.875,-4.1) 237(-24.125,4.1) 238(-24.375,-4.1) 239(-24.625,4.1) 240(-24.875,-4.1) 241(-25.125,4.1) 242(-25.375,-4.1) 243(-25.625,4.1) 244(-25.875,-4.1) 245(-26.125,4.1) 246(-26.375,-4.1) 247(-26.625,4.1) 248(-26.875,-4.1) 249(-27.125,4.1) 250(-27.375,-4.1) 251(-27.625,4.1) 252(-27.875,-4.1) 253(-28.125,4.1) 254(-28.375,-4.1) 255(-28.625,4.1) 256(-28.875,-4.1) 257(-29.125,4.1) 258(-29.375,-4.1) 259(-29.625,4.1) 260(-29.875,-4.1)